# KiCad board pcb.kicad_pcb (continued)
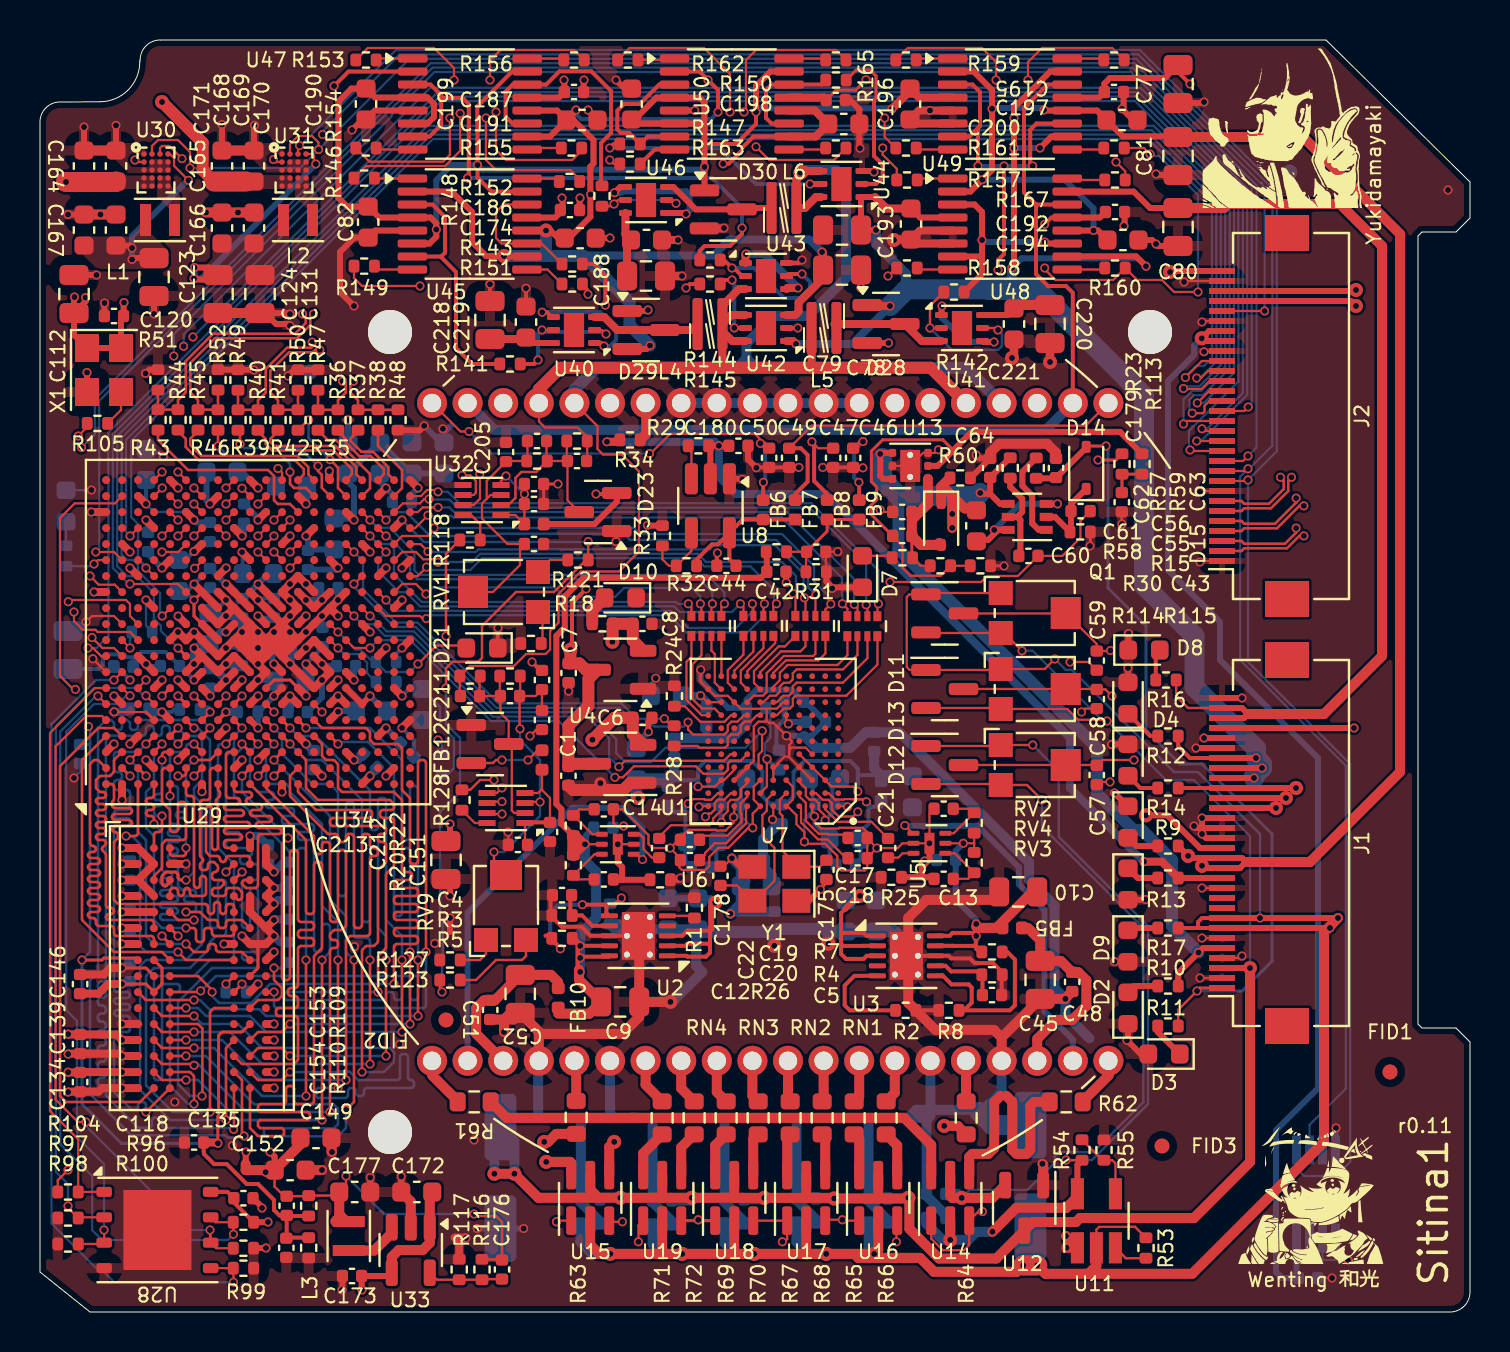
[diagram p0: board, top side]
## Routing (per net, layer and track width the routed paths; a pad name or vN(x,y) marks a point on that pad's centre or on a via; arc(x,y) is an arc through that point) (continued)
/fpga_ddr/DRAM_DATA14: length 11.2
  Top w0.127: 8.9,26.4 8.9,26.14 arc(8.91,26.1) 8.93,26.07 8.97,26.03 arc(8.99,26) 9,25.96 9,25.84 arc(8.99,25.8) 8.97,25.77 8.83,25.63 arc(8.81,25.6) 8.8,25.56 8.8,25.44 arc(8.81,25.4) 8.83,25.37 8.87,25.33 arc(8.89,25.3) 8.9,25.26 8.9,23.24 arc(8.89,23.2) 8.87,23.17 8.83,23.13 arc(8.8,23.11) 8.76,23.1 8.74,23.1 arc(8.7,23.11) 8.67,23.13 8.63,23.17 arc(8.61,23.2) 8.6,23.24 8.6,25.16 arc(8.59,25.2) 8.57,25.23 8.53,25.27 arc(8.5,25.29) 8.46,25.3 8.44,25.3 arc(8.4,25.29) 8.37,25.27 8.33,25.23 arc(8.31,25.2) 8.3,25.16 8.3,23.04 arc(8.31,23) 8.33,22.97 8.47,22.83 arc(8.5,22.81) 8.54,22.8 8.86,22.8 arc(8.9,22.79) 8.93,22.77 8.97,22.73 arc(8.99,22.7) 9,22.66 9,22.64 arc(9.01,22.6) 9.03,22.57 9.07,22.53 arc(9.1,22.51) 9.14,22.5 9.16,22.5 arc(9.2,22.51) 9.23,22.53 9.27,22.57 arc(9.29,22.6) 9.3,22.64 9.3,22.66 arc(9.31,22.7) 9.33,22.73 9.37,22.77 arc(9.4,22.79) 9.44,22.8 10.36,22.8 arc(10.4,22.79) 10.43,22.77 10.47,22.73 arc(10.49,22.7) 10.5,22.66 10.5,22.4
/fpga_ddr/DRAM_DATA15: length 12.5
  Top w0.127: 9.7,26.4 9.7,26.14 arc(9.71,26.1) 9.73,26.07 9.77,26.03 arc(9.8,26.01) 9.84,26 10.46,26 arc(10.5,25.99) 10.53,25.97 10.57,25.93 arc(10.59,25.9) 10.6,25.86 10.6,25.84 arc(10.59,25.8) 10.57,25.77 10.53,25.73 arc(10.5,25.71) 10.46,25.7 10.44,25.7 arc(10.4,25.69) 10.37,25.67 10.33,25.63 arc(10.31,25.6) 10.3,25.56 10.3,25.54 arc(10.31,25.5) 10.33,25.47 10.37,25.43 arc(10.4,25.41) 10.44,25.4 10.96,25.4 arc(11,25.39) 11.03,25.37 11.07,25.33 arc(11.09,25.3) 11.1,25.26 11.1,25.24 arc(11.09,25.2) 11.07,25.17 11.03,25.13 arc(11,25.11) 10.96,25.1 10.64,25.1 arc(10.6,25.09) 10.57,25.07 10.53,25.03 arc(10.51,25) 10.5,24.96 10.5,24.94 arc(10.51,24.9) 10.53,24.87 10.57,24.83 arc(10.6,24.81) 10.64,24.8 11.46,24.8 arc(11.5,24.79) 11.53,24.77 11.57,24.73 arc(11.59,24.7) 11.6,24.66 11.6,24.64 arc(11.59,24.6) 11.57,24.57 11.53,24.53 arc(11.5,24.51) 11.46,24.5 10.94,24.5 arc(10.9,24.49) 10.87,24.47 10.83,24.43 arc(10.81,24.4) 10.8,24.36 10.8,24.34 arc(10.81,24.3) 10.83,24.27 10.87,24.23 arc(10.9,24.21) 10.94,24.2 11.96,24.2 arc(12,24.19) 12.03,24.17 12.07,24.13 arc(12.09,24.1) 12.1,24.06 12.1,24.04 arc(12.09,24) 12.07,23.97 12.03,23.93 arc(12,23.91) 11.96,23.9 11.04,23.9 arc(11,23.89) 10.97,23.87 10.93,23.83 arc(10.91,23.8) 10.9,23.76 10.9,21.34 arc(10.89,21.3) 10.87,21.27 10.83,21.23 arc(10.8,21.21) 10.76,21.2 10.34,21.2 arc(10.3,21.21) 10.27,21.23 10.13,21.37 arc(10.11,21.4) 10.1,21.44 10.1,21.46 arc(10.11,21.5) 10.13,21.53 10.17,21.57 arc(10.2,21.59) 10.24,21.6 10.5,21.6
/fpga_ddr/DRAM_DQM0: length 17.9
  Top w0.127: 3.3,26.4 3.56,26.4 arc(3.6,26.39) 3.63,26.37 3.67,26.33 arc(3.69,26.3) 3.7,26.26 3.7,25.64 arc(3.69,25.6) 3.67,25.57 3.63,25.53 arc(3.61,25.5) 3.6,25.46 3.6,25.34 arc(3.61,25.3) 3.63,25.27 3.67,25.23 arc(3.7,25.21) 3.74,25.2 4.46,25.2 arc(4.5,25.19) 4.53,25.17 4.57,25.13 arc(4.59,25.1) 4.6,25.06 4.6,25.04 arc(4.59,25) 4.57,24.97 4.53,24.93 arc(4.5,24.91) 4.46,24.9 3.74,24.9 arc(3.7,24.89) 3.67,24.87 3.63,24.83 arc(3.61,24.8) 3.6,24.76 3.6,24.74 arc(3.61,24.7) 3.63,24.67 3.67,24.63 arc(3.7,24.61) 3.74,24.6 4.46,24.6 arc(4.5,24.59) 4.53,24.57 4.57,24.53 arc(4.59,24.5) 4.6,24.46 4.6,24.44 arc(4.59,24.4) 4.57,24.37 4.53,24.33 arc(4.5,24.31) 4.46,24.3 3.74,24.3 arc(3.7,24.29) 3.67,24.27 3.63,24.23 arc(3.61,24.2) 3.6,24.16 3.6,24.14 arc(3.61,24.1) 3.63,24.07 3.67,24.03 arc(3.7,24.01) 3.74,24 3.76,24 arc(3.8,23.99) 3.83,23.97 3.87,23.93 arc(3.89,23.9) 3.9,23.86 3.9,23.74 arc(3.89,23.7) 3.87,23.67 3.73,23.53 arc(3.71,23.51) 3.7,23.48 3.7,23.47 3.7,20.6 3.72,20.59 3.73,20.57 3.87,20.43 arc(3.9,20.41) 3.94,20.4 8.26,20.4 arc(8.3,20.39) 8.33,20.37 8.37,20.33 arc(8.39,20.3) 8.4,20.26 8.4,20.04 arc(8.41,20) 8.43,19.97 8.47,19.93 arc(8.5,19.91) 8.54,19.9 8.56,19.9 arc(8.6,19.91) 8.63,19.93 8.67,19.97 arc(8.69,20) 8.7,20.04 8.7,20.36 arc(8.71,20.4) 8.73,20.43 8.77,20.47 arc(8.8,20.49) 8.84,20.5 8.86,20.5 arc(8.9,20.49) 8.93,20.47 8.97,20.43 arc(8.99,20.4) 9,20.36 9,20.04 arc(9.01,20) 9.03,19.97 9.07,19.93 arc(9.1,19.91) 9.14,19.9 9.16,19.9 arc(9.2,19.91) 9.23,19.93 9.27,19.97 arc(9.29,20) 9.3,20.04 9.3,20.26 arc(9.31,20.3) 9.33,20.33 9.37,20.37 arc(9.4,20.39) 9.44,20.4 9.56,20.4 arc(9.6,20.39) 9.63,20.37 9.67,20.33 arc(9.69,20.3) 9.7,20.26 9.7,20
/fpga_ddr/DRAM_DQM1: length 10.3
  Top w0.127: 7.3,26.4 7.3,25.94 arc(7.31,25.9) 7.33,25.87 7.37,25.83 arc(7.4,25.81) 7.44,25.8 7.56,25.8 arc(7.6,25.79) 7.63,25.77 7.67,25.73 arc(7.69,25.7) 7.7,25.66 7.7,21.34 arc(7.71,21.3) 7.73,21.27 7.77,21.23 arc(7.8,21.21) 7.84,21.2 7.86,21.2 arc(7.9,21.21) 7.93,21.23 7.97,21.27 arc(7.99,21.3) 8,21.34 8,21.66 arc(8.01,21.7) 8.03,21.73 8.07,21.77 arc(8.1,21.79) 8.14,21.8 8.16,21.8 arc(8.2,21.79) 8.23,21.77 8.27,21.73 arc(8.29,21.7) 8.3,21.66 8.3,20.94 arc(8.29,20.9) 8.27,20.87 8.23,20.83 arc(8.2,20.81) 8.16,20.8 7.64,20.8 arc(7.6,20.81) 7.57,20.83 7.53,20.87 arc(7.51,20.9) 7.5,20.94 7.5,21.06 arc(7.49,21.1) 7.47,21.13 7.43,21.17 arc(7.4,21.19) 7.36,21.2 7.34,21.2 arc(7.3,21.19) 7.27,21.17 7.23,21.13 arc(7.21,21.1) 7.2,21.06 7.2,20.94 arc(7.19,20.9) 7.17,20.87 7.13,20.83 arc(7.1,20.81) 7.06,20.8 7.04,20.8 arc(7,20.81) 6.97,20.83 6.93,20.87 arc(6.91,20.9) 6.9,20.94 6.9,21.06 arc(6.89,21.1) 6.87,21.13 6.83,21.17 arc(6.8,21.19) 6.76,21.2 6.64,21.2 arc(6.6,21.19) 6.57,21.17 6.53,21.13 arc(6.51,21.1) 6.5,21.06 6.5,20.8
/fpga_ddr/DRAM_ODT: length 39.2
  Top w0.127: 4.9,16 5.27,15.63 arc(5.3,15.61) 5.34,15.6 v1(7.7,15.6) ; v1(18.9,14.8) v1(18.9,17.6)
  Top w0.15: 12.9,29.6 v1(13.3,29.2)
  Bottom w0.127: v1(13.3,29.2) 16.46,29.2 arc(16.5,29.19) 16.53,29.17 18.07,27.63 arc(18.09,27.6) 18.1,27.56 18.1,23.74 arc(18.11,23.7) 18.13,23.67 18.17,23.63 arc(18.2,23.61) 18.24,23.6 18.36,23.6 arc(18.4,23.61) 18.43,23.63 18.47,23.67 arc(18.49,23.7) 18.5,23.74 18.5,26.16 arc(18.51,26.2) 18.53,26.23 18.57,26.27 arc(18.6,26.29) 18.64,26.3 18.76,26.3 arc(18.8,26.29) 18.83,26.27 18.87,26.23 arc(18.89,26.2) 18.9,26.16 v1(18.9,17.6) ; v1(7.7,15.6) 7.96,15.6 arc(8,15.59) 8.03,15.57 8.46,15.14 10.96,15.14 11.27,14.83 arc(11.3,14.81) 11.34,14.8 v1(18.9,14.8)
/fpga_ddr/DRAM_RASB: length 37.9
  Top w0.127: v1(8.6,16) 8.6,16.1 7.92,16.78 arc(7.89,16.8) 7.86,16.8 6.5,16.8 ; 13.7,28.8 14.07,28.43 arc(14.09,28.4) 14.1,28.36 14.1,27.84 arc(14.11,27.8) 14.13,27.77 14.27,27.63 arc(14.3,27.61) 14.34,27.6 14.66,27.6 arc(14.7,27.59) 14.73,27.57 14.87,27.43 arc(14.89,27.4) 14.9,27.36 14.9,26.24 arc(14.91,26.2) 14.93,26.17 15.07,26.03 arc(15.1,26.01) 15.14,26 17.66,26 arc(17.7,25.99) 17.73,25.97 18.07,25.63 arc(18.09,25.6) 18.1,25.56 18.1,22.14 arc(18.11,22.1) 18.13,22.07 18.17,22.03 arc(18.2,22.01) 18.24,22 18.46,22 arc(18.5,21.99) 18.53,21.97 18.57,21.93 arc(18.59,21.9) 18.6,21.86 18.6,21.74 arc(18.59,21.7) 18.57,21.67 18.53,21.63 arc(18.5,21.61) 18.46,21.6 17.84,21.6 arc(17.8,21.59) 17.77,21.57 17.73,21.53 arc(17.71,21.5) 17.7,21.46 17.7,21.34 arc(17.71,21.3) 17.73,21.27 17.77,21.23 arc(17.8,21.21) 17.84,21.2 18.76,21.2 arc(18.8,21.19) 18.83,21.17 18.87,21.13 arc(18.89,21.1) 18.9,21.06 18.9,20.94 arc(18.89,20.9) 18.87,20.87 18.83,20.83 arc(18.8,20.81) 18.76,20.8 17.84,20.8 arc(17.8,20.79) 17.77,20.77 17.73,20.73 arc(17.71,20.7) 17.7,20.66 17.7,20.54 arc(17.71,20.5) 17.73,20.47 17.77,20.43 arc(17.8,20.41) 17.84,20.4 18.76,20.4 arc(18.8,20.39) 18.83,20.37 18.87,20.33 arc(18.89,20.3) 18.9,20.26 18.9,20.14 arc(18.89,20.1) 18.87,20.07 18.83,20.03 arc(18.8,20.01) 18.76,20 17.84,20 arc(17.8,19.99) 17.77,19.97 17.73,19.93 arc(17.71,19.9) 17.7,19.86 17.7,19.74 arc(17.71,19.7) 17.73,19.67 17.77,19.63 arc(17.8,19.61) 17.84,19.6 18.76,19.6 arc(18.8,19.59) 18.83,19.57 18.87,19.53 arc(18.89,19.5) 18.9,19.46 18.9,19.34 arc(18.89,19.3) 18.87,19.27 18.83,19.23 arc(18.8,19.21) 18.76,19.2 17.84,19.2 arc(17.8,19.19) 17.77,19.17 17.73,19.13 arc(17.71,19.1) 17.7,19.06 17.7,18.94 arc(17.71,18.9) 17.73,18.87 17.77,18.83 arc(17.8,18.81) 17.84,18.8 18.76,18.8 arc(18.8,18.79) 18.83,18.77 18.87,18.73 arc(18.89,18.7) 18.9,18.66 18.9,18.54 arc(18.89,18.5) 18.87,18.47 18.83,18.43 arc(18.8,18.41) 18.76,18.4 17.84,18.4 arc(17.8,18.39) 17.77,18.37 17.73,18.33 arc(17.71,18.3) 17.7,18.26 v1(17.7,16.4)
  Bottom w0.127: v1(8.6,16) 8.6,15.8 8.95,15.45 10.56,15.45 10.85,15.74 10.85,15.75 11.47,16.37 arc(11.5,16.39) 11.54,16.4 v1(17.7,16.4)
/fpga_ddr/DRAM_RST: length 25.7
  Top w0.127: U29.T2 5,10.5 1.3,10.5 1,10.8 1,27.29 2.9,29.2 3.7,29.2 U27.B4
/fpga_ddr/DRAM_SDQSN_0: length 17.1
  Top w0.15: 4.1,27.2 v1(4.5,26.8) ; 6.5,18.4 v1(6.1,18.8)
  In2.Cu w0.127: v1(4.5,26.8) 4.76,26.54 arc(4.78,26.51) 4.79,26.47 4.79,20.09 arc(4.79,20.06) 4.81,20.02 5.02,19.81 arc(5.06,19.79) 5.09,19.79 5.5,19.79 arc(5.54,19.79) 5.57,19.81 5.79,20.03 arc(5.81,20.06) 5.81,20.1 5.81,22.91 arc(5.82,22.95) 5.84,22.98 5.92,23.06 arc(5.95,23.08) 5.99,23.09 6.21,23.09 arc(6.25,23.08) 6.28,23.06 6.36,22.98 arc(6.38,22.95) 6.39,22.91 6.39,19.13 arc(6.38,19.09) 6.36,19.06 v1(6.1,18.8)
/fpga_ddr/DRAM_SDQSN_1: length 7.1
  Top w0.127: v1(6.9,26.8) 7.16,26.8 arc(7.2,26.81) 7.23,26.83 7.27,26.87 arc(7.29,26.9) 7.3,26.94 7.3,27.2
  Top w0.15: 9.7,22.4 v1(9.3,22)
  In2.Cu w0.127: v1(9.3,22) 9.56,22.26 arc(9.58,22.29) 9.59,22.33 9.59,22.35 7.2,26.28 arc(7.19,26.3) 7.19,26.33 7.19,26.64 arc(7.18,26.68) 7.16,26.71 7.1,26.77 arc(7.07,26.79) 7.03,26.8 v1(6.9,26.8)
/fpga_ddr/DRAM_SDQSP_0: length 17.1
  Top w0.15: 6.5,19.2 v1(6.9,18.8) ; 4.9,27.2 v1(5.3,26.8)
  In2.Cu w0.127: v1(5.3,26.8) 5.04,26.54 arc(5.02,26.51) 5.01,26.47 5.01,20.19 arc(5.02,20.15) 5.04,20.12 5.12,20.04 arc(5.15,20.02) 5.19,20.01 5.4,20.01 arc(5.44,20.02) 5.48,20.04 5.56,20.12 arc(5.58,20.16) 5.59,20.2 5.59,23.01 arc(5.59,23.04) 5.61,23.08 5.82,23.29 arc(5.86,23.31) 5.89,23.31 6.31,23.31 arc(6.34,23.31) 6.38,23.29 6.59,23.08 arc(6.61,23.04) 6.61,23.01 6.61,19.13 arc(6.62,19.09) 6.64,19.06 v1(6.9,18.8)
/fpga_ddr/DRAM_SDQSP_1: length 6.8
  Top w0.127: 8.1,27.2 v1(7.7,26.8)
  Top w0.15: 9.7,21.6 v1(10.1,22)
  In2.Cu w0.127: v1(10.1,22) 9.84,22.26 arc(9.82,22.29) 9.81,22.33 9.81,22.39 arc(9.81,22.42) 9.8,22.44 7.43,26.35 arc(7.42,26.37) 7.41,26.4 7.41,26.47 arc(7.42,26.51) 7.44,26.54 v1(7.7,26.8)
/fpga_ddr/DRAM_WEB: length 34.1
  Top w0.127: v1(18.1,14) v1(18.1,17.6) ; 6.5,15.2 v1(7.3,15.2)
  Top w0.15: 12.1,29.6 v1(12.5,29.2)
  Bottom w0.127: v1(18.1,17.6) 18.1,18.76 arc(18.09,18.8) 18.07,18.83 17.33,19.57 arc(17.31,19.6) 17.3,19.64 17.3,25.56 arc(17.29,25.6) 17.27,25.63 17.23,25.67 arc(17.2,25.69) 17.16,25.7 17.04,25.7 arc(17,25.69) 16.97,25.67 16.93,25.63 arc(16.91,25.6) 16.9,25.56 16.9,24.24 arc(16.89,24.2) 16.87,24.17 16.83,24.13 arc(16.8,24.11) 16.76,24.1 16.64,24.1 arc(16.6,24.11) 16.57,24.13 16.53,24.17 arc(16.51,24.2) 16.5,24.24 16.5,26.08 13.78,28.8 12.94,28.8 arc(12.9,28.81) 12.87,28.83 v1(12.5,29.2) ; v1(7.3,15.2) 7.86,15.2 arc(7.9,15.19) 7.93,15.17 8.27,14.83 arc(8.3,14.81) 8.34,14.8 10.46,14.8 arc(10.5,14.79) 10.53,14.77 11.27,14.03 arc(11.3,14.01) 11.34,14 v1(18.1,14)
/fpga_io/LED: length 2.1
  Top w0.11: U27.A15 2.9,37.6 v1(2.7,37.4)
  Bottom w0.11: R56.1 2.59,37.29 v1(2.7,37.4)
/fpga_io/PS_SRST_B: length 1.4
  Top w0.1: 4.1,33.6 v1(4.5,33.2)
  Bottom w0.11: v1(4.5,33.2) 4.5,33.91 R112.2
AFE_RST: length 24.4
  Top w0.11: U7.H8 35.2,29.84 34.88,29.52 34.57,29.52 34.39,29.34 34.39,29.04 34.22,28.87 32.66,28.87 32.4,29.13 v1(32.4,29.49) ; v1(15.7,36.4) 15.71,36.4 U27.U14
  Bottom w0.11: v1(15.7,36.4) 15.7,36.27 17.72,34.25 18.78,34.25 22.82,30.21 28.97,30.21 29.78,29.4 30.58,29.4 30.71,29.27 32.18,29.27 v1(32.4,29.49)
AFE_SCK: length 24.2
  Top w0.11: U27.T10 15.7,33.2 v1(16.5,33.2) ; v1(28.75,26.73) 29.15,26.73 29.69,27.28 32.79,27.28 33.17,26.91 34.19,26.91 34.4,27.11 34.4,27.43 34.52,27.56 35.03,27.56 35.36,27.89
  Bottom w0.11: v1(28.75,26.73) 25.93,29.55 22.55,29.55 18.51,33.59 16.89,33.59 v1(16.5,33.2)
AFE_SDATA: length 23.6
  Top w0.11: v1(28.94,27.26) 29.25,27.56 34.19,27.56 34.53,27.89 34.71,27.89 ; 15.7,34.9 v1(15.7,34.8) U27.T12
  Bottom w0.11: v1(15.7,34.8) 16.11,34.39 16.66,34.39 17.24,33.81 18.6,33.81 22.64,29.77 27.37,29.77 28.45,28.68 28.45,27.75 v1(28.94,27.26)
AFE_SL: length 26.2
  Top w0.11: U27.U12 v1(16.5,34.8) ; v3(36.11,29.06) 36.11,28.05 35.93,27.87 35.93,27.32 U7.D7
  Bottom w0.11: v3(36.11,29.06) 35.26,28.21 31.27,28.21 30.55,27.49 29.27,27.49 28.81,27.95 28.81,28.64 27.46,29.99 22.73,29.99 18.69,34.03 17.33,34.03 16.56,34.8 v1(16.5,34.8)
CCDIN_L: length 20.9
  Top w0.11: v1(30.12,22.63) 29.86,22.89 U6.1
  Bottom w0.3: U10.19 21.38,19.97 26.62,25.21 29.12,25.21 30.12,24.21 v1(30.12,22.63)
CCDIN_R: length 18
  Top w0.11: v1(43.24,24.33) 43.63,23.94 U5.1
  Bottom w0.3: v1(43.24,24.33) 43.26,24.31 46.87,24.31 48.94,22.23 48.94,21.38 50.22,20.11 50.22,15.03 51.64,13.61 U10.2
CSI_D2: length 27.5
  Top w0.11: v1(19.9,41.01) 19.81,41.1 19.35,41.1 19.05,40.8 U27.Y19 ; RN1.1 41.87,35.36 v1(41.92,35.41)
  Bottom w0.11: v1(19.9,41.01) 20.39,41.01 20.96,40.44 38.56,40.44 41.92,37.08 v1(41.92,35.41)
CSI_D3: length 27.9
  Top w0.11: v1(19.45,40.65) 19.21,40.65 18.99,40.43 18.14,40.43 U27.W18 ; RN1.2 41.37,35.3 v1(41.31,35.36)
  Bottom w0.11: v1(19.45,40.65) 19.48,40.62 20.47,40.62 20.87,40.22 38.47,40.22 41.31,37.38 v1(41.31,35.36) 41.31,35.34
CSI_D4: length 25.2
  Top w0.11: RN1.4 40.37,35.16 v1(40.12,35.41) ; U27.Y17 18.75,39.2 v1(19.4,39.84)
  Bottom w0.11: v1(40.12,35.41) 40.12,35.88 40.1,35.9 40.1,36.7 37.08,39.72 20.66,39.72 20.59,39.8 19.44,39.8 v1(19.4,39.84)
CSI_D5: length 25.1
  Top w0.11: RN2.1 39.27,35.13 v1(39.54,35.4) ; v1(19.7,39.2) 19.7,39.1 19.4,38.8 18.11,38.8 U27.W16
  Bottom w0.11: v1(39.54,35.4) 39.4,35.54 39.4,35.83 38.7,36.53 38.7,37.3 37.1,38.9 30,38.9 29.7,39.2 v1(19.7,39.2)
CSI_D6: length 22.7
  Top w0.11: v1(19.4,38.02) 19.03,38.4 U27.Y16 ; v1(38.22,35.71) 38.27,35.66 RN2.3
  Bottom w0.11: v1(38.22,35.71) 38.18,35.75 38.18,36.91 36.75,38.34 33.71,38.34 33.5,38.13 21.92,38.13 21.79,38 19.42,38 v1(19.4,38.02)
CSI_D7: length 23.2
  Top w0.11: v1(37.64,35.93) 37.77,35.8 RN2.4 ; v1(19.9,37.49) 19.76,37.63 19.17,37.63 18.8,38 18.11,38 U27.W15
  Bottom w0.11: v1(37.64,35.93) 37.8,36.09 37.8,36.8 37.1,37.5 33.3,37.5 32.89,37.91 22.02,37.91 21.6,37.5 19.91,37.5 v1(19.9,37.49)
CSI_D8: length 25.7
  Top w0.11: RN1.3 40.87,35.22 v1(40.71,35.38) ; v1(19.9,40.23) 19.13,40.23 18.9,40 U27.Y18
  Bottom w0.11: v1(19.9,40.23) 20.47,40.23 20.7,40 37.36,40 40.7,36.66 40.7,35.39 v1(40.71,35.38)
CSI_D9: length 21.2
  Top w0.11: 31.6,29.43 R28.2 31.56,29.32 v1(31.22,29.66) ; U27.T16 v1(15.7,38)
  Bottom w0.11: v1(15.7,38) 16.15,37.55 16.15,36.13 17.81,34.47 18.87,34.47 22.91,30.43 29.06,30.43 29.83,29.66 v1(31.22,29.66)
CSI_D10: length 20.8
  Top w0.11: U27.Y14 18.88,36.8 v1(19.33,37.24) ; RN3.1 36.67,35.26 v1(36.82,35.41)
  Bottom w0.11: v1(19.33,37.24) 19.47,37.1 21.51,37.1 22.11,37.69 32.8,37.69 33.21,37.28 35.52,37.28 36.7,36.1 36.7,35.53 v1(36.82,35.41)
CSI_D11: length 21.5
  Top w0.11: RN3.2 36.17,35.36 v1(36.22,35.41) ; v1(19.32,34.67) 19.13,34.67 19,34.8 17.3,34.8 U27.V12
  Bottom w0.11: v1(19.32,34.67) 19.49,34.84 31.45,34.84 32.31,33.98 35.38,33.98 36.2,34.8 36.2,35.39 v1(36.22,35.41)
CSI_D12: length 25.5
  Top w0.11: v1(38.79,35.86) 38.77,35.83 RN2.2 ; v1(17.3,39.6) U27.V18
  Bottom w0.12: v1(38.79,35.86) 38.41,36.25 38.41,37 36.81,38.6 29.5,38.6 29.18,38.92 22.92,38.92 22.8,38.8 19.5,38.8 18.31,40 17.69,40 v1(17.3,39.6)
CSI_D13: length 20.8
  Top w0.11: U27.V13 v1(17.3,35.6) ; v1(35.62,35.41) 35.67,35.36 RN3.3
  Bottom w0.11: v1(35.62,35.41) 35.62,35.02 34.8,34.2 32.4,34.2 31.54,35.06 17.84,35.06 v1(17.3,35.6)
CSI_D14: length 21.5
  Top w0.11: U27.V16 v1(17.3,38) ; RN3.4 35.17,35.26 v1(35.02,35.41)
  Bottom w0.11: v1(35.02,35.41) 35.01,35.41 34.6,35 31.99,35 31.71,35.28 19,35.28 18.29,35.99 17.96,35.99 16.91,37.04 16.91,37.61 v1(17.3,38)
CSI_D15: length 19.6
  Top w0.11: RN4.2 33.57,35.36 v1(33.62,35.41) ; U27.V17 v1(17.3,38.8)
  Bottom w0.11: v1(17.3,38.8) 17.38,38.8 18.5,37.68 18.5,36.99 18.85,36.63 32.97,36.63 33.62,35.98 v1(33.62,35.41)
CSI_HSYNC: length 19.3
  Top w0.11: RN4.4 32.57,35.26 v1(32.42,35.41) ; v1(16.5,38.8) U27.U17
  Bottom w0.11: v1(32.42,35.41) 32.41,35.4 31.9,35.4 31.8,35.5 19.09,35.5 17.7,36.89 17.7,38.17 17.47,38.4 16.9,38.4 v1(16.5,38.8)
CSI_PIXCLK: length 21.5
  Top w0.11: v1(16.5,39.6) U27.U18 ; v1(34.22,35.41) 34.07,35.26 RN4.1
  Bottom w0.11: v1(34.22,35.41) 34.22,35.98 33.35,36.85 18.95,36.85 18.72,37.08 18.72,37.98 17.49,39.21 16.89,39.21 v1(16.5,39.6)
CSI_VSYNC: length 17.4
  Top w0.11: v1(33.02,35.41) 33.07,35.36 RN4.3 ; U27.W13 18.11,36.4 18.8,36.4 v1(19.3,35.9)
  Bottom w0.11: v1(33.02,35.41) 33.02,35.78 32.6,36.2 29.2,36.2 28.76,35.76 26.22,35.76 25.75,36.23 19.63,36.23 v1(19.3,35.9)
DRV_FDG_HI: length 57.1
  Top w0.11: R167.1 54.26,57.04 v1(53.8,57.5) ; v1(10.1,41.19) 10.49,40.8 U27.K19
  In2.Cu w0.11: v1(53.8,57.5) 53.5,57.8 29.72,57.8 29.12,57.2 27.7,57.2 27.01,57.89 19.75,57.89 11.98,50.12 11.98,44.18 10.1,42.3 v1(10.1,41.19)
DRV_FDG_LO: length 64.8
  Top w0.11: v1(49.4,61.6) 49.4,62.5 50.1,63.2 53.61,63.2 R168.2 ; v1(6.9,39.6) U27.E18
  In2.Cu w0.11: v1(49.4,61.6) 48.56,60.76 19.19,60.76 8.86,50.43 8.86,46.37 5.49,43 5.49,41.21 6.4,40.3 6.4,40.1 v1(6.9,39.6)
DRV_V1_PDN_HI: length 43.7
  Top w0.11: R164.1 39.7,57.6 36.46,57.6 v1(35.8,58.26) ; U27.J20 9.7,41.6 v1(9.3,41.2)
  In2.Cu w0.11: v1(35.8,58.26) 35.8,58.5 35.6,58.7 24.44,58.7 24.08,58.33 19.57,58.33 11.54,50.31 11.54,44.36 9.3,42.12 v1(9.3,41.2)
DRV_V1_PDN_LO: length 49.3
  Top w0.11: R165.2 39.8,63.1 35.8,63.1 35.3,62.6 35.3,60.1 v1(35.2,60) ; U27.G18 v1(7.7,40.4)
  In2.Cu w0.11: v1(35.2,60) 34.66,60.54 25.04,60.54 23.81,59.31 19.3,59.31 9.96,49.97 9.96,45.36 8.18,43.58 8.18,42.39 7.31,41.52 7.31,40.79 v1(7.7,40.4)
DRV_V1_PLO_HI: length 47.1
  Top w0.11: R162.1 29.48,63.2 33.2,63.2 34.5,61.9 v1(34.5,60) ; U27.G19 v1(7.7,41.2)
  In2.Cu w0.11: v1(7.7,41.2) 7.7,41.6 8.4,42.3 8.4,43.41 10.18,45.19 10.18,49.88 19.39,59.09 23.9,59.09 24.41,59.6 34.1,59.6 v1(34.5,60)
DRV_V1_PLO_LO: length 32.2
  Top w0.11: v1(9.3,40.4) 9.7,40.8 U27.J19 ; R163.2 28.69,57.4 v1(28.49,57.6)
  In2.Cu w0.11: v1(28.49,57.6) 27.8,57.6 27.29,58.11 19.66,58.11 11.76,50.22 11.76,44.27 9.71,42.22 9.71,40.81 v1(9.3,40.4)
DRV_V1_SELL_HI: length 36.2
  Top w0.11: v1(22.8,60) 22.8,58.1 23.3,57.6 26.61,57.6 27.21,58.2 ; U27.D19 5.71,40.8 v1(6.11,41.2)
  In2.Cu w0.11: v1(22.8,60) 22.26,60.54 19.28,60.54 9.08,50.34 9.08,46.28 5.71,42.91 5.71,41.6 v1(6.11,41.2)
DRV_V1_SELL_LO: length 39.5
  Top w0.11: U27.E17 6.5,39.2 v1(6.1,38.8) ; R156.2 26.71,63.1 23.03,63.1 22.5,62.57 v1(22.5,61.6)
  In2.Cu w0.11: v1(6.1,38.8) 5.96,38.94 5.96,39.84 5.79,40.01 5.09,40.01 4.89,40.21 4.89,43.09 8.42,46.62 8.42,50.61 19.01,61.2 22.1,61.2 v1(22.5,61.6)
DRV_V2_PDN_HI: length 25.7
  Top w0.11: v1(27.4,50.89) 27.4,51.12 R151.1 ; U27.H17 v1(9.3,38.8)
  In2.Cu w0.11: v1(9.3,38.8) 10,39.5 10,40.1 10.69,40.79 11.09,40.79 11.3,41 11.3,42.79 12.61,44.09 13.59,44.09 14.5,45 17.08,45 22.88,50.8 27.31,50.8 v1(27.4,50.89)
DRV_V2_PDN_LO: length 34.9
  Top w0.11: v1(6.1,42) 5.7,41.6 U27.D20 ; 27.12,56.5 26.51,57.1 22.8,57.1 22.3,57.6 v1(22.3,59.7)
  In2.Cu w0.11: v1(6.1,42) 6.1,42.11 7.52,43.53 7.52,43.94 9.3,45.72 9.3,50.24 19.38,60.32 21.68,60.32 v1(22.3,59.7)
DRV_V2_PHI_HI: length 64.6
  Top w0.11: v1(6.9,38.8) 7.3,39.2 U27.F17 ; v1(47.8,61.6) 47.8,62.5 47.1,63.2 43.39,63.2 R159.1
  In2.Cu w0.11: v1(6.9,38.8) 6.18,39.52 6.18,40.21 5.27,41.12 5.27,43.09 8.64,46.46 8.64,50.52 19.1,60.98 47.18,60.98 v1(47.8,61.6)
DRV_V2_PHI_MID: length 50.3
  Top w0.11: v1(42.24,59.7) 42.24,58.76 R161.2 ; v1(7.7,38.8) 8.1,39.2 U27.G17
  In2.Cu w0.11: v1(7.7,38.8) 8.11,39.21 8.11,41.62 9.38,42.89 9.38,43.88 11.1,45.6 11.1,50.49 19.48,58.87 23.99,58.87 24.42,59.3 41.5,59.3 41.9,59.7 v1(42.24,59.7)
DRV_V2_PLO_HI: length 39.3
  Top w0.11: U27.F16 6.91,38 v1(6.1,38) ; v1(20.7,61.6) 20.7,62.2 19.7,63.2 16.39,63.2 R153.1
  In2.Cu w0.11: v1(6.1,38) 4.67,39.43 4.67,43.18 8.2,46.71 8.2,50.7 19.1,61.6 v1(20.7,61.6)
DRV_V2_PLO_LO: length 31.5
  Top w0.11: U27.F20 v1(6.9,42) ; R154.2 16.47,57.52 20.16,57.52 20.5,57.86 v1(20.5,59.7)
  In2.Cu w0.11: v1(20.5,59.7) 19.38,59.7 9.74,50.06 9.74,45.54 7.96,43.76 7.96,43.06 v1(6.9,42)
DRV_V2_SELH_HI: length 52
  Top w0.11: v1(7.73,37.19) 8.1,37.56 U27.G15 ; R157.1 42.84,57.16 42.13,57.87 v1(42.13,58.2)
  In2.Cu w0.11: v1(42.13,58.2) 42.13,58.51 41.65,59 24.43,59 24.08,58.65 19.57,58.65 11.32,50.4 11.32,45.42 9.6,43.7 9.6,42.8 8.9,42.1 8.9,38.35 v1(7.73,37.19)
DRV_V2_SELH_MID: length 36.6
  Top w0.11: v1(42.4,51.8) 42.8,52.2 R158.2 ; U27.M20 12.1,41.97 v1(11.9,42.17)
  In2.Cu w0.11: v1(11.9,42.17) 12.93,43.2 15.6,43.2 17.68,45.28 17.68,45.29 22.89,50.5 27.56,50.5 28.26,51.2 31.6,51.2 32.3,50.5 41.49,50.5 42.4,51.41 v1(42.4,51.8)
DRV_V2_SELH_PHI_LO: length 64.1
  Top w0.11: v1(55.5,57.9) 55.2,58.2 R166.2 ; v1(10.9,40.4) 11.3,40.8 U27.L19 ; v1(50.24,52.2) 50.24,52.14 50.77,51.6 53.66,51.6 R160.2 54.86,51.6 56.1,51.6 56.7,51 v1(57.9,51)
  In2.Cu w0.11: v1(10.9,40.4) 11.3,40.4 12.22,41.32 14.87,41.32 17.9,44.35 17.9,45.2 22.3,49.6 26.97,49.6 28.35,50.98 31.51,50.98 32.24,50.25 41.55,50.25 42.4,51.1 49.13,51.1 v1(50.24,52.2)
  Bottom w0.11: v1(57.9,51) 57.9,55.84 55.94,57.8 55.6,57.8 v1(55.5,57.9)
DRV_V2_SELL_HI: length 35.1
  Top w0.11: v1(21.01,59.93) 21.01,58.06 20.25,57.3 16.31,57.3 R146.1 ; v1(6.9,40.4) U27.E19
  In2.Cu w0.11: v1(6.9,40.4) 6.51,40.79 6.51,42.21 7.74,43.44 7.74,43.85 9.52,45.63 9.52,50.15 19.47,60.1 20.84,60.1 v1(21.01,59.93)
DRV_V2_SELL_LO: length 23.1
  Top w0.11: v1(19,51.3) 16.1,51.3 15.7,51.7 R149.2 ; U27.J18 9.7,40 v1(9.3,39.6)
  In2.Cu w0.11: v1(9.3,39.6) 9.3,39.71 10.49,40.91 10.49,42.38 13.33,45.22 16.99,45.22 19.7,47.93 19.7,50.6 v1(19,51.3)
DSI_HS_CKN: length 3.9
  Top w0.127: U27.W20 17.42,41.88 17.42,42.24 16.65,43.01 16.07,43.01 15.51,43.57 15.51,43.65 15.9,44.04 R37.2
DSI_HS_CKP: length 3.9
  Top w0.127: U27.V20 17.19,41.88 17.19,42.15 16.55,42.79 15.97,42.79 15.29,43.47 15.29,43.65 14.9,44.04 R36.2
DSI_HS_D0N: length 6.3
  Top w0.127: R41.2 11.9,44.04 11.51,43.65 11.51,43.5 11.71,43.3 14.76,43.3 15.82,42.25 15.82,41.88 U27.U20
DSI_HS_D0P: length 6.3
  Top w0.127: U27.T20 15.59,41.88 15.59,42.15 14.67,43.07 11.62,43.07 11.29,43.41 11.29,43.65 10.9,44.04 R40.2
DSI_HS_D1N: length 8
  Top w0.127: R45.2 7.9,44.05 7.51,43.66 7.51,43.35 8.06,42.8 12.86,42.8 13.42,42.24 13.42,41.88 U27.P20
DSI_HS_D1P: length 8
  Top w0.127: U27.N20 13.19,41.88 13.19,42.15 12.77,42.57 7.97,42.57 7.29,43.25 7.29,43.66 6.9,44.05 R44.2
DSI_LP_CKN: length 4
  Top w0.127: U27.W19 18.1,41.19 18.1,42.1 16.9,43.3 R38.2
DSI_LP_CKP: length 4.8
  Top w0.127: U27.U19 16.5,41.19 16.5,41.9 14.8,43.6 14.39,43.6 R35.2
DSI_LP_D0N: length 5.3
  Top w0.127: U27.T19 14.9,41.2 14.9,42.22 v1(14.5,42.62) ; R42.2 13.41,44.6 v1(13.43,44.6)
  Bottom w0.127: v1(13.43,44.6) 13.43,43.69 v1(14.5,42.62)
DSI_LP_D0P: length 6.8
  Top w0.127: v1(13.9,42.3) 13.9,42.05 14.09,41.86 14.09,41.21 U27.R19 ; R39.2 10,43.99 v1(10,43.4)
  Bottom w0.127: v1(10,43.4) 10.2,43.2 13,43.2 v1(13.9,42.3)
DSI_LP_D1N: length 7.2
  Top w0.127: v1(12.5,42) 12.5,42 12.5,41.4 12.7,41.2 13.3,41.2 U27.P19 ; v1(8.9,43.3) R46.2
  Bottom w0.127: v1(8.9,43.3) 9.4,42.8 12.1,42.8 12.5,42.4 v1(12.5,42)